# Altium PCB CRD25DA12N-FMC V1.2 (01-2024).PcbDoc (part 4 of 6) (continued)
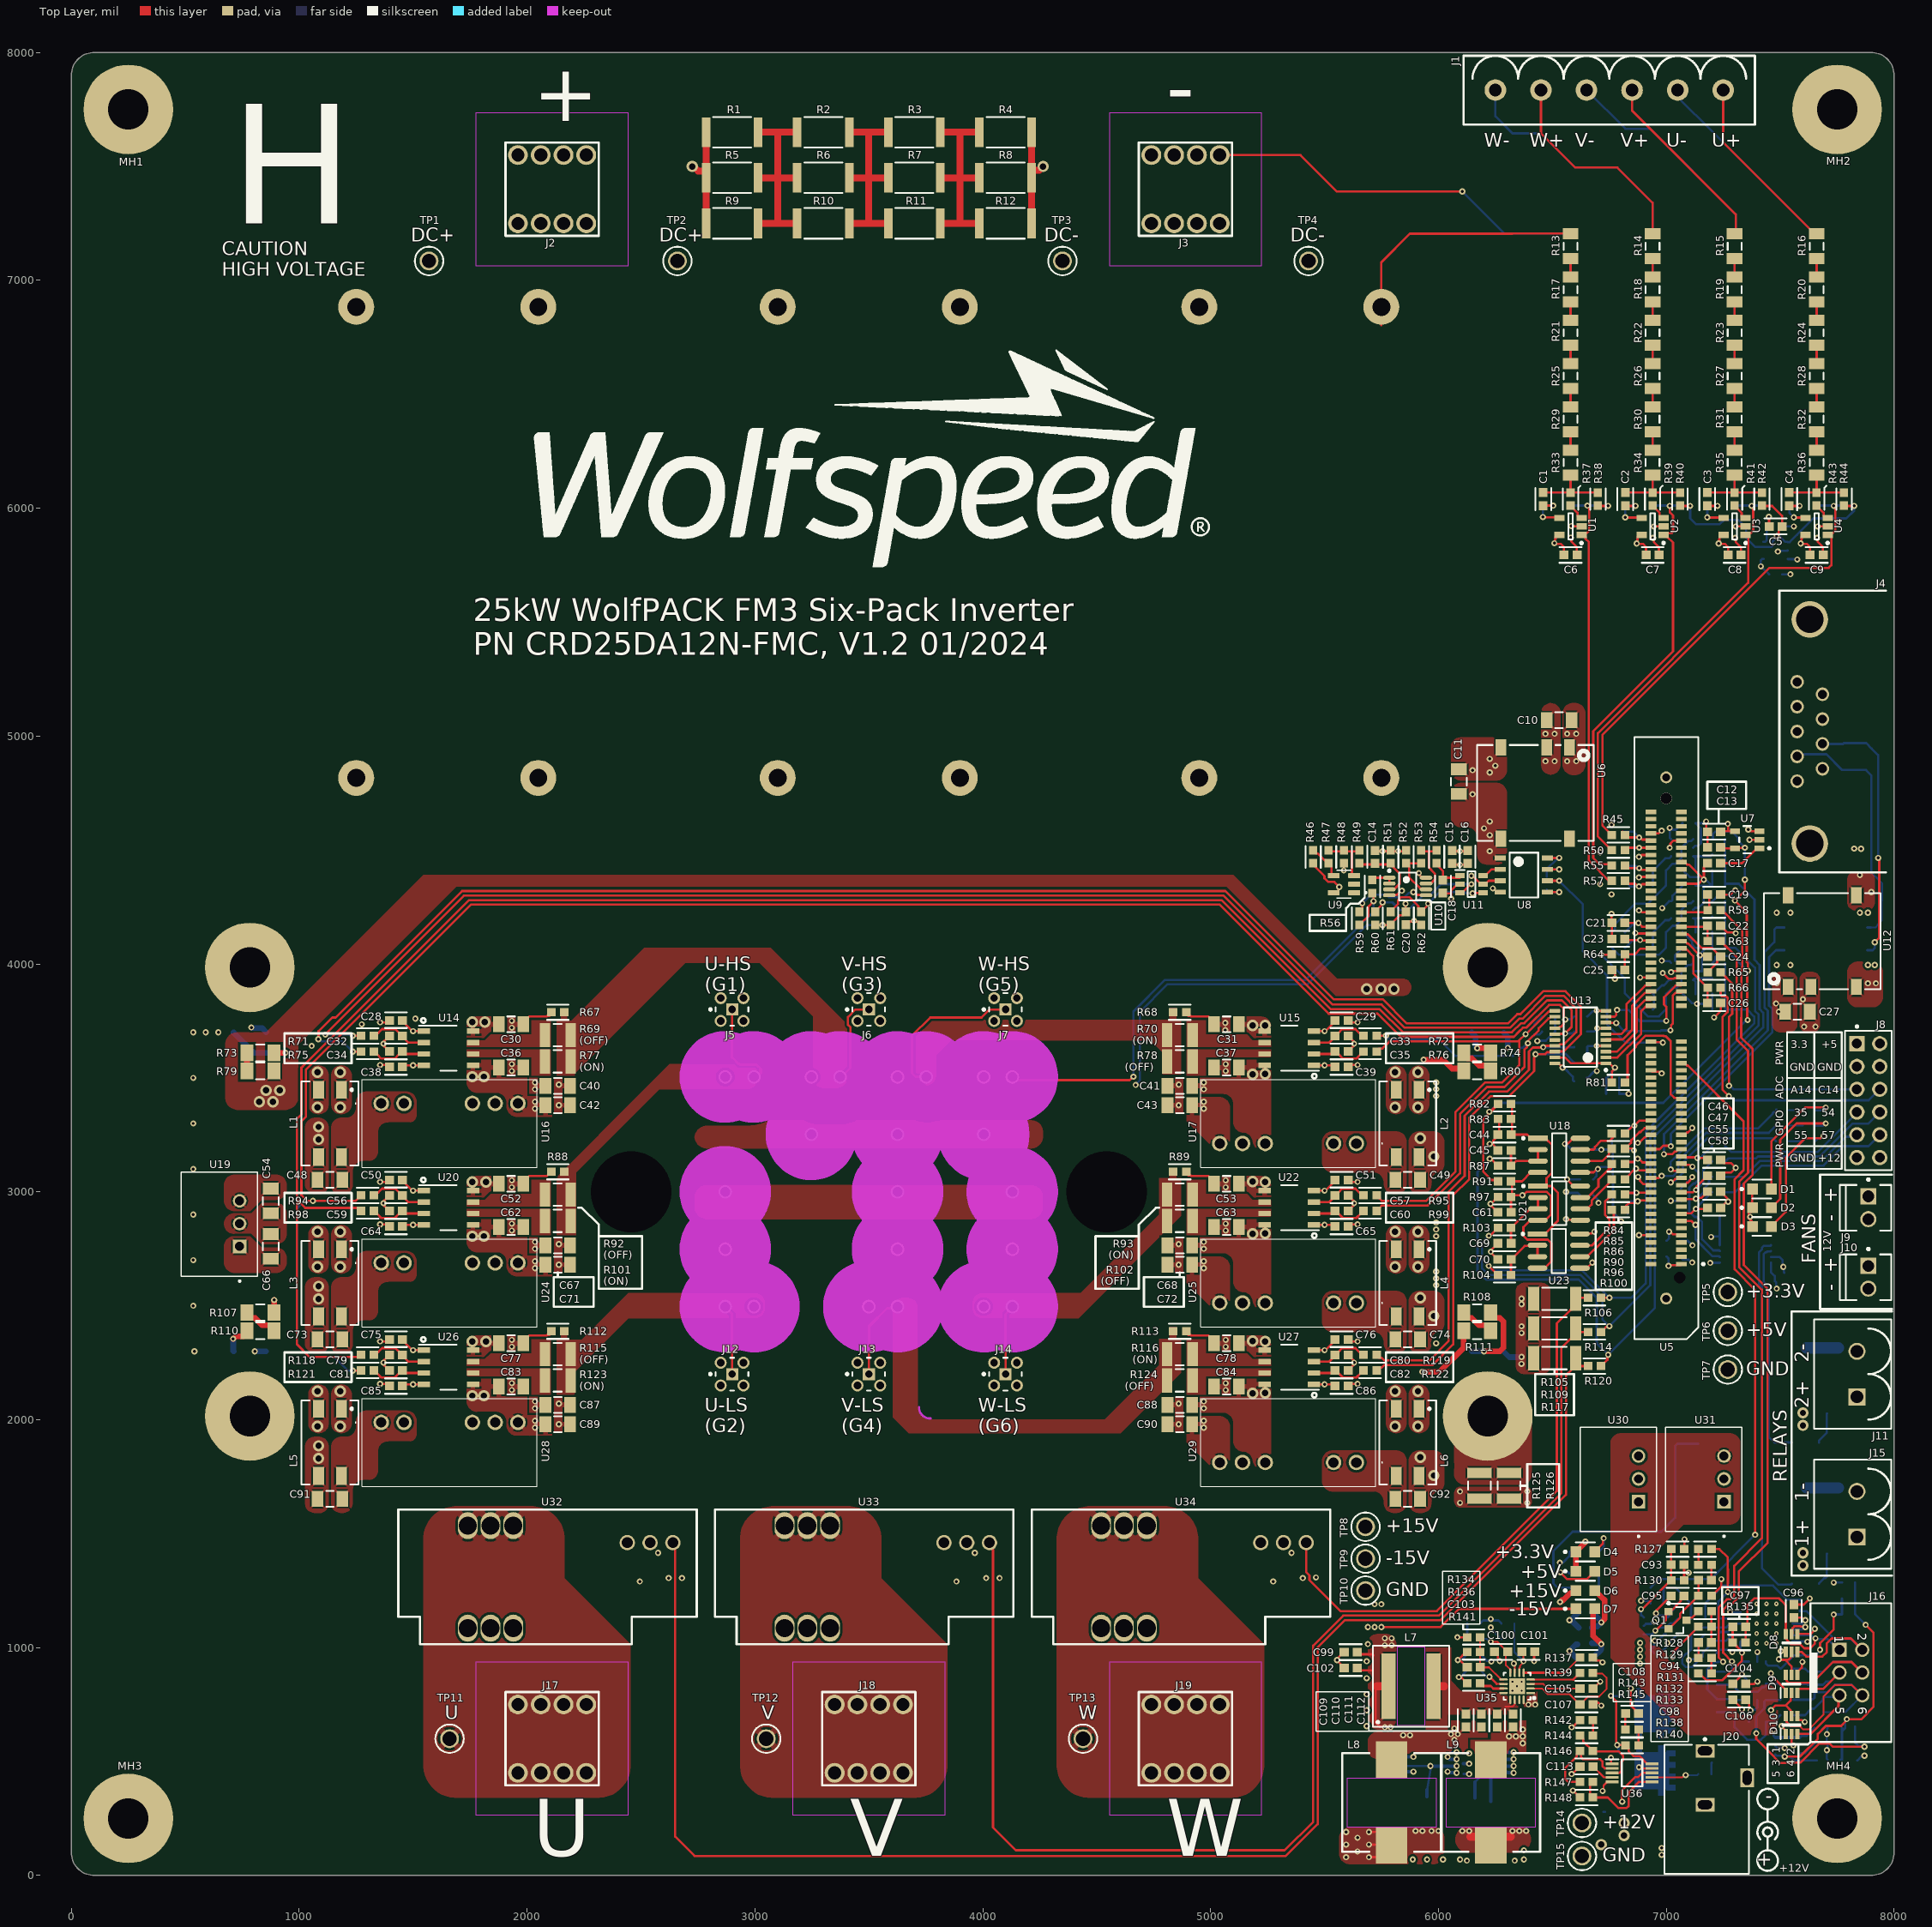
[diagram p0: Top Layer view]
## Nets (pads, with @x,y where several pads share a name; then routed paths per layer and width w, separated by ;. In a path a pad name is that pad's centre, name@x,y a point inside that pad or via, vN(x,y) a via of type N, cw(c..) or ccw(c..) an arc to the next point about the centre after c; other vN are vias at no path point) (continued)
IU: R117.2 R120.1 U32.9 | length 7014.5
  Top Layer w10: U32.9@2640,1460 2650,1450 2650,170 2735,85 5330,85 5470,225 5470,1000 5590,1120 6010,1120 6560,1670 6560,2195 6582.91,2217.91 6582.91,2235.39 R117.2@6602.52,2255 ; R117.2@6602.52,2254.61 6622.13,2235 R120.1@6656.38,2235
IU_FILT: C128.1 R87.1 R120.2 R183.1 R184.1 R185.2 | length 4130.5
  Top Layer w10: v1(6225,3145) 6229.47,3145 6260.47,3114 R87.1@6261.38,3114 ; R120.2@6713.62,2235 6714.53,2235 6741.75,2262.22 6741.75,2281.75 v1(6745,2285)
  Bottom Layer w10: v1(6225,3145) 6225,3140.4 6213.54,3128.94 6213.54,3128.54 6171.5,3086.5 6171.5,2653.5 6210,2615 6615,2615 6695,2535 6695,2335 v1(6745,2285) 6950,2490 6950,3245.31 7425.71,3721.02 7425.71,3785.85 7410,3801.57 7410,3995 7387,4018 7387,4283 7318.23,4351.77 7260.39,4351.77 R185.2@7258.62,4350 ; R185.2@7258.62,4343 R185.2@7258.62,4350 ; R183.1@7258.62,4548 7255.96,4545.33 7255.96,4515.04 7258.62,4512.38 R184.1@7258.62,4480 R184.1@7258.62,4480 C128.1@7258.58,4411 C128.1@7258.58,4411 R185.2@7258.62,4350
IU_MEAS: C21.1 R189.2 U5.33 | length 197.7
  Top Layer w10: C21.1@6818.58,4180 v1(6877.48,4180) 6894.45,4163.03 U5.33@6933.39,4163.03
  Bottom Layer w10: R189.2@6818.62,4139 6819.53,4139 6857.27,4176.75 6874.22,4176.75 v1(6877.48,4180)
IV: R109.2 R114.1 U33.9 | length 5685.2
  Top Layer w10: U33.9@4030,1460 4030,1444.51 4045,1429.51 4045,210 4145,110 5325,110 5450,235 5450,1008.28 5581.72,1140 5675,1140 6001.72,1140 6540,1678.28 6540,2315 6576.85,2351.85 6582.91,2351.85 6602.52,2371.46 6602.52,2385 R114.1@6656.38,2385
IV_FILT: C134.1 R103.1 R114.2 R187.1 R188.1 R190.2 | length 3215
  Top Layer w10: v1(6220.91,2806.96) 6224.16,2810.21 6229.63,2810.21 R103.1@6261.38,2841.96 R103.1@6262.28,2841.96 ; R114.2@6713.62,2385 6714.53,2385 6736.27,2406.75 6746.75,2406.75 v1(6750,2410)
  Bottom Layer w10: v1@6229.13,2815.18 v1(6220.91,2806.96) 6191.5,2777.55 6191.5,2663.5 6220,2635 6623.28,2635 6638.28,2620 6720,2538.28 6720,2440 v1(6750,2410) 6930,2590 6930,3255 7405.71,3730.71 7405.71,3777.57 7390,3793.28 7390,3983.81 7303.81,4070 R190.2@7258.62,4070 C134.1@7258.58,4139 C134.1@7258.58,4139 C134.1@7258.58,4139 R188.1@7258.62,4207 R187.1@7258.62,4275
IV_MEAS: C23.1 R192.2 U5.37 | length 208.3
  Top Layer w10: C23.1@6809.06,4104.85 v1(6885,4104.85) 6887.32,4102.52 6930.9,4102.52 U5.37@6934.21,4099.21
  Bottom Layer w10: R192.2@6818.62,4070 6819.53,4070 6854.37,4104.85 v1(6885,4104.85)
IW: R105.2 R106.1 U34.9 | length 2439.7
  Top Layer w10: U34.9@5420,1460 5420,1330.31 5434.15,1316.15 5434.15,1295.85 5570,1160 5993.43,1160 6520,1686.57 6520,2422.48 6579.37,2481.85 6584.37,2481.85 R105.2@6607.52,2505 ; R105.2@6607.52,2535 R106.1@6659.41,2535
IW_FILT: C140.1 R104.1 R106.2 R193.1 R194.1 R195.2 | length 2582.4
  Top Layer w10: v1(6220.46,2674.84) 6220.59,2674.84 6260.47,2634.96 R104.1@6261.38,2634.96 ; R106.2@6713.62,2535 v1(6750,2535)
  Bottom Layer w10: v1(6220.46,2674.84) 6220.46,2670.24 6235,2655.7 6235,2655 6631.57,2655 6646.57,2640 6750,2536.57 v1(6750,2535) 6846.72,2535 6910,2598.28 6910,3263.28 7385.71,3739 7385.71,3769.29 7355,3800 R195.2@7258.62,3800 R195.2@7258.62,3800 C140.1@7258.58,3868 R194.1@7258.62,3936 R194.1@7258.62,3936 R193.1@7258.62,4003
IW_MEAS: C25.1 R64.2 U5.39 | length 194.9
  Top Layer w10: C25.1@6818.58,3974 R64.2@6818.62,4042 R64.2@6818.62,4042 6861.55,4042 6886.48,4066.93 6935,4066.93 U5.39@6934.85,4066.78
LED_G: R209.2 U5.96 | length 628.7
  Top Layer w10: v1(7019.92,3041.5) 7024.52,3041.5 7039.01,3055.98 7062.09,3055.98 U5.96@7066.93,3060.83
  Bottom Layer w10: v1(7019.92,3041.5) 7024.52,3041.5 7033.02,3050 7040.09,3050 7073.19,3083.1 7073.19,3128.49 7179.69,3235 7410,3235 7410.04,3234.96 7455.04,3234.96 ; 7455,3235 7455.04,3234.96 ; R209.2@7481.38,3222 7468.42,3234.96 7455.04,3234.96
LED_R: R205.2 U5.94 | length 637.2
  Top Layer w10: v1(7020,3098.5) 7024.6,3098.5 7030.78,3092.32 U5.94@7066.93,3092.32
  Bottom Layer w10: v1(7020,3098.5) 7020,3131.87 7166.56,3278.44 7403.44,3278.44 7467.52,3342.52 7467.52,3345.04 7472.47,3350 R205.2@7480,3350 ; R205.2@7482.47,3360 R205.2@7485,3360
LED_Y: R207.2 U5.95 | length 674.3
  Top Layer w10: U5.95@6933.07,3060.83 6933.48,3060.41 6966.29,3060.41 6975.88,3070 v1(6980,3070)
  Bottom Layer w10: v1(6980,3070) 7031.81,3070 7053.19,3091.38 7053.19,3136.77 7174.85,3258.44 7450,3258.44 ; 7450,3260 7450.47,3260 7480,3289.53 R207.2@7480,3295 ; R207.2@7480.47,3290 R207.2@7481.38,3290
LO_OC_REF: C61.1 R91.1 R97.2 U18.4 U21.4 U23.4 | length 1027.5
  Top Layer w10: C61.1@6318.58,2909.96 6318.58,2973 R97.2@6323.58,2978 ; R91.1@6318.62,3045.96 R91.1@6323.58,3045.96 ; U23.4@6403.62,2665 U23.4@6435,2665 6466.24,2665 6495,2693.76 6495,2775 6480,2790 6390,2790 6372.85,2807.15 6372.85,2845 6402.85,2875 U21.4@6436.94,2875 6468.19,2875 6495,2901.81 6495,2980 6475,3000 6388.36,3000 6373.22,2984.86 v1(6368.62,2984.86) 6330.44,2984.86 R97.2@6323.58,2978 ; U18.4@6421.32,3085 6405.7,3085 6366.66,3045.96 R91.1@6323.58,3045.96 ; R97.2@6323.58,2978 R91.1@6323.58,3045.96
NetC1_1: C1.1 R33.2 R37.1 R38.2 | length 316.3
  Top Layer w10: C1.1@6460,6068.58 R37.1@6580,6068.62 R37.1@6580,6068.62 ; R33.2@6580,6144.88 R37.1@6580,6068.62 ; R38.2@6700,6068.62 R37.1@6580,6068.62
NetC2_1: C2.1 R34.2 R39.1 R40.1 | length 316.3
  Top Layer w10: C2.1@6820,6068.58 R39.1@6940,6068.62 R39.1@6940,6068.62 ; R34.2@6940,6144.88 R39.1@6940,6068.62 ; R40.1@7060,6068.62 R39.1@6940,6068.62
NetC3_1: C3.1 R35.2 R41.1 R42.1 | length 316.3
  Top Layer w10: C3.1@7180,6068.58 R41.1@7300,6068.62 R41.1@7300,6068.62 ; R35.2@7300,6144.88 R41.1@7300,6068.62 ; R42.1@7420,6068.62 R41.1@7300,6068.62
NetC4_1: C4.1 R36.2 R43.1 R44.1 | length 316.3
  Top Layer w10: C4.1@7540,6068.58 C4.1@7540,6068.58 R43.1@7660,6068.62 ; R36.2@7660,6144.88 R43.1@7660,6068.62 ; R44.1@7780,6068.62 R43.1@7660,6068.62
NetC45_1: C45.1 R87.2 U18.2 U18.3 | length 245.6
  Top Layer w10: C45.1@6318.58,3182 C45.1@6318.58,3182 R87.2@6318.62,3114 6319.53,3114 6340.53,3135 U18.3@6436.94,3135 U18.2@6436.94,3185 U18.2@6436.82,3184.87 ; C45.1@6324.21,3185 C45.1@6324.47,3184.74
NetC48_1: C48.1 L1.4 U16.1
NetC48_2: C48.2 L1.3 U16.2
  other v2: 1085,3230 1085,3285
NetC49_1: C49.1 L2.4 U17.1
  other v2: 5980,3155 5920,3235
NetC49_2: C49.2 L2.3 U17.2
NetC69_1: C69.1 R103.2 U21.2 U21.3 | length 270.2
  Top Layer w10: C69.1@6318.58,2773.96 6318.58,2841 6402.57,2925 U21.3@6436.94,2925 U21.2@6436.94,2975
NetC70_1: C70.1 R104.2 U23.2 U23.3 | length 259.9
  Top Layer w10: R104.2@6318.62,2634.96 R104.2@6318.62,2634.96 6318.58,2703.04 C70.1@6318.62,2703 ; C70.1@6318.58,2703.96 6319.53,2703.96 6378.1,2762.53 6432.53,2762.53 U23.2@6435,2765 U23.3@6435,2715
NetC73_1: C73.1 L3.4 U24.1
NetC73_2: C73.2 L3.3 U24.2 | length 4.1
  Top Layer w10: L3.3@1090,2452.36 L3.3@1092.89,2455.26
  other v2: 1085,2530 1085,2585
NetC74_1: C74.1 L4.4 U25.1
  other v2: 5980,2455 5920,2535
NetC74_2: C74.2 L4.3 U25.2
NetC91_1: C91.1 L5.4 U28.1
NetC91_2: C91.2 L5.3 U28.2
  other v2: 1085,1830 1085,1885
NetC92_1: C92.1 L6.4 U29.1
  other v2: 5980,1755 5920,1835
NetC92_2: C92.2 L6.3 U29.2
NetC93_1: C93.1 R127.1 R130.2 U44.3 | length 364.9
  Top Layer w10: v1(6889.16,1168.01) 6893.48,1168.01 7020.47,1295 R130.2@7021.38,1295 C93.1@7021.42,1363 C93.1@7021.42,1363 R127.1@7021.38,1432 R127.1@7021.38,1432
  Bottom Layer w10: v1(6889.16,1168.01) 6889.16,1141.18 6892.99,1141.18 U44.3@6901.77,1132.4
NetC94_1: C94.1 R129.2 | length 68
  Top Layer w10: C94.1@7198.58,1295 C94.1@7198.58,1295 R129.2@7198.62,1363
NetC94_2: C94.2 Q1.2 R131.2 | length 268.3
  Top Layer w10: Q1.2@7010.63,1082.6 7012.6,1082.6 7060.65,1130.65 7060.65,1147.18 7140.47,1227 R131.2@7141.38,1227 R131.2@7141.38,1227 C94.2@7141.42,1295
NetC95_2: C95.2 R221.1 U44.4 | length 259.2
  Top Layer w10: v1(6955,1150) 6958.25,1153.25 6958.25,1164.78 7018.42,1224.95 7018.42,1230 C95.2@7021.42,1227
  Bottom Layer w10: v1(6955,1150) 6959.6,1150 6968.42,1141.18 6998.31,1141.18 7007.09,1132.4 7015.87,1141.18 7015.87,1150.04 7037.52,1171.69 7037.52,1181.04 7050.47,1194 R221.1@7051.38,1194 ; U44.4@6983.23,1127.4 U44.4@6992.09,1127.4
NetC97_1: C97.1 R135.1 R140.1 U43.1 | length 454.3
  Top Layer w10: R140.1@7141.38,886 7154.33,873.04 7159.27,873.04 7168.76,863.56 7168.76,863.49 7175.2,857.04 7247.04,857.04 7332.39,942.39 v1(7332.39,977.67) ; C97.1@7291.42,1091 C97.1@7291.42,1091 R135.1@7291.38,1022 7292.28,1022 v1@7332.39,981.89
  Bottom Layer w10: U43.1@7325.83,1028.23 7325.83,1025.2 7325,1024.37 7325,989.66 7332.39,982.27 v1(7332.39,977.67)
NetC98_1: C98.1 R138.2 | length 68.5
  Top Layer w10: R138.2@7141.38,954 R138.2@7141.38,954 C98.1@7141.42,1022 ; C98.1@7154.92,1024.17 C98.1@7155.24,1023.86
NetC98_2: C98.2 R132.2 R133.1 | length 149.2
  Top Layer w10: R132.2@7189.73,1151.02 7197.72,1159 R132.2@7198.62,1159 R133.1@7198.62,1091 R133.1@7198.62,1091 C98.2@7198.58,1022
NetC100_1: C100.1 C172.1 U35.8 | length 246.2
  Top Layer w8: v1(6230,1025) 6258.63,1025 6302.63,981 C100.1@6303.58,981 6296.41,973.83 6296.41,922.27 6315.47,903.21 U35.8@6315.47,889.23
  Bottom Layer w8: C172.1@6183.58,1038 6213.11,1038 6226.11,1025 v1(6230,1025)
NetC101_1: C101.1 R225.1 R230.2 U35.6 | length 265.6
  Top Layer w8: 6354.84,909.23 6358.58,912.97 6358.58,920.12 6373.31,934.86 6373.31,974.11 C101.1@6366.42,981
  Bottom Layer w8: R230.2@6333.62,1106 R225.1@6333.62,1038 6333.62,979.69 v1(6373.31,940) ; v1@6370,939.47 v1@6370.91,939.47
NetC103_1: C103.1 R136.2 R233.1 | length 162.3
  Top Layer w10: C103.1@6126.42,913 6112.56,926.86 6111.61,926.86 6096.73,941.75 6088.25,941.75 v1(6085,945) 6107.04,967.04 6113.42,967.04 R136.2@6126.38,980
  Bottom Layer w10: v1(6085,945) 6088.25,948.25 6103.73,948.25 6125.47,970 R233.1@6126.38,970
NetC105_1: C105.1 U35.3 | length 226.1
  Top Layer w8: U35.3@6404.23,839.84 6460.61,839.84 6480.46,820 6584.44,820 6584.77,820.33 6620.09,820.33 C105.1@6621.42,819
NetC108_1: C108.1 R143.1 | length 71.2
  Top Layer w10: R143.1@6821.38,640 6820,641.38 6820,708.58 C108.1@6821.42,710
NetC109_1: C109.1 C110.1 C111.1 C112.1 L7.2 U35.12 U35.13 U35.14 | length 132.2
  Top Layer w8: 6025,830 6030,825 ; 6295,740 6325,740 6334.89,749.89 6334.89,770.49 U35.14@6335.16,770.77 U35.14@6335.16,757.18
  Top Layer w35: L7.2@5978.43,830 6025,830
NetC109_2: C109.2 C110.2 D18.2 D18.3 L8.1 R245.1
  other v1: 6070,595 5845,615 5875,615 6055,620 6085,620 6070,645
NetC111_2: C111.2 C112.2 D17.2 D17.3 L9.2 R244.1
  other v1: 6370,580 6310,610 6340,610 6370,610 6370,640
NetC113_1: C113.1 U36.4 | length 104.2
  Top Layer w8: C113.1@6678.58,478 6726.58,430 U36.4@6762.91,430
NetC117_1: C117.1 R169.2 R173.2 R174.1 | length 316.3
  Bottom Layer w10: R174.1@7540,6068.62 C117.1@7660,6068.58 ; R169.2@7660,6144.88 C117.1@7660,6068.58 ; R173.2@7780,6068.62 C117.1@7660,6068.58
NetC117_2: C117.2 R45.1 R173.1 U4.1 | length 2178.4
  Top Layer w10: R45.1@6761.38,4566 6720,4607.38 6720,5005 7453.5,5738.5 7713.5,5738.5 7725,5750 7725,5874.61 7712.62,5886.99 7717.01,5891.38 7731.58,5891.38 7741.87,5901.66 7741.87,5998.53 7735,6005.4 v1(7735,6010)
  Bottom Layer w10: C117.2@7660,6011.42 R173.1@7780,6011.38 R173.1@7780,6011.38
NetC118_1: C118.1 R170.2 R175.2 R176.1 | length 316.3
  Bottom Layer w10: R176.1@7180,6068.62 C118.1@7300,6068.58 C118.1@7300,6068.58 ; R170.2@7300,6144.88 C118.1@7300,6068.58 ; R175.2@7420,6068.62 R175.2@7420,6068.62 C118.1@7300,6068.58
NetC118_2: C118.2 R50.1 R175.1 U3.1 | length 1950.8
  Top Layer w10: R50.1@6751.46,4505 6751.46,4507.95 6700,4559.41 6700,5013.28 7359.39,5672.67 7359.39,5873.82 7350.61,5882.6 U3.1@7348.23,5882.6 7357.01,5891.38 7371.58,5891.38 7381.87,5901.66 7381.87,5998.53 7375,6005.4 v1(7375,6010)
  Bottom Layer w10: C118.2@7300,6011.42 C118.2@7300,6011.42 R175.1@7420,6011.38
NetC119_1: C119.1 R171.2 R177.2 R178.1 | length 316.4
  Bottom Layer w10: R178.1@6820,6068.62 R178.1@6820,6068.62 C119.1@6940,6068.58 C119.1@6940,6068.58 ; R171.2@6940,6144.88 C119.1@6940,6068.58 ; R177.2@7060,6068.62 C119.1@6940,6068.58 C119.1@6940,6068.58
NetC119_2: C119.2 R55.1 R177.1 U2.1 | length 1959
  Top Layer w10: R55.1@6761.38,4432 6756.23,4437.15 6707.85,4437.15 6680,4465 6680,5021.57 7030,5371.57 7030,5849.09 7005.87,5873.23 7005.87,5873.82 6992.95,5886.73 6992.36,5886.73 6996.5,5890.87 7024.13,5890.87 7029.99,5896.72 7029.99,5967.61 7016.1,5981.5 7016.1,6008.9 v1(7015,6010)
  Bottom Layer w10: C119.2@6940,6011.42 R177.1@7060,6011.38 R177.1@7060,6011.38
NetC120_1: C120.1 R172.2 R179.1 R180.1 | length 316.3
  Bottom Layer w10: R180.1@6460,6068.62 C120.1@6580,6068.58 C120.1@6580,6068.58 ; R172.2@6580,6144.88 C120.1@6580,6068.58 ; R179.1@6700,6068.62 R179.1@6700,6068.62 C120.1@6580,6068.58
NetC120_2: C120.2 R57.1 R179.2 U1.1 | length 1857.1
  Top Layer w10: v1(6653.58,6011.42) 6653.58,6006.82 6661.87,5998.53 6661.87,5901.66 6651.58,5891.38 6637.01,5891.38 U1.1@6628.23,5882.6 6637.09,5882.6 6645.87,5873.82 6645.87,5864.96 6660,5850.83 6660,4452.95 R57.1@6755,4357.95
  Bottom Layer w10: C120.2@6580,6011.42 v1(6653.58,6011.42) R179.2@6700,6011.38 R179.2@6700,6011.38
NetC129_1: C129.1 R184.2 U38.3 | length 151.5
  Bottom Layer w10: U38.3@7118.23,4472.6 U38.3@7119.8,4472.6 ; C129.1@7128.58,4411 7128.58,4463.82 U38.3@7119.8,4472.6 ; R184.2@7201.38,4480 7193.98,4472.6 U38.3@7119.8,4472.6
NetC130_1: C130.1 R186.1 U38.4 | length 173.9
  Bottom Layer w10: R186.1@6941.38,4343 C130.1@6941.42,4411 C130.1@6941.42,4411 6942.37,4411 6995.19,4463.82 7012.99,4463.82 U38.4@7021.77,4472.6
NetC130_2: C130.2 R186.2 R189.1 U38.1 | length 605.8
  Bottom Layer w10: R189.1@6761.38,4139 6762.28,4139 6775.24,4151.96 6775.24,4175.24 6865,4265 6919.72,4265 6997.72,4343 R186.2@6998.62,4343 C130.2@6998.58,4411 C130.2@6998.58,4411 6999.53,4411 7028.09,4439.56 7040.71,4439.56 7065.87,4464.73 7065.87,4509.62 7094.88,4538.62 7109.45,4538.62 U38.1@7118.23,4547.4
NetC135_1: C135.1 R188.2 U40.3 | length 151
  Bottom Layer w10: U40.3@7118.23,4200.6 U40.3@7119.8,4200.6 ; C135.1@7128.58,4139 7128.58,4191.82 U40.3@7119.8,4200.6 ; R188.2@7201.38,4207 7194.98,4200.6 U40.3@7119.8,4200.6
NetC136_1: C136.1 R191.1 U40.4 | length 174.9
  Bottom Layer w10: R191.1@6941.38,4070 C136.1@6941.42,4139 C136.1@6941.42,4139 6942.37,4139 6995.19,4191.82 7012.99,4191.82 U40.4@7021.77,4200.6
NetC136_2: C136.2 R191.2 R192.1 U40.1 | length 532.7
  Bottom Layer w10: R192.1@6761.38,4070 6762.28,4070 6791.24,4041.04 6968.76,4041.04 6997.72,4070 R191.2@6998.62,4070 C136.2@6998.58,4139 C136.2@6998.58,4139 6999.53,4139 7028.09,4167.56 7040.71,4167.56 7065.87,4192.73 7065.87,4237.62 7094.88,4266.62 7109.45,4266.62 U40.1@7118.23,4275.4
NetC141_1: C141.1 R194.2 U41.3 | length 152.6
  Bottom Layer w10: C141.1@7128.58,3868 7128.58,3920.82 7119.8,3929.6 7118.23,3929.6 7124.63,3936 R194.2@7201.38,3936
NetC142_1: C142.1 R196.1 U41.4 | length 177.7
  Bottom Layer w10: R196.1@6941.38,3800 6946.04,3804.67 6946.04,3863.38 C142.1@6941.42,3868 6942.37,3868 6980.52,3906.15 6989.46,3906.15 7012.91,3929.6 U41.4@7021.77,3929.6
NetC142_2: C142.2 R64.1 R196.2 U41.1 | length 767.6
  Top Layer w10: v1(6715,4040) 6759.38,4040 R64.1@6761.38,4042
  Bottom Layer w10: v1(6715,4040) 6818.11,3936.89 6818.11,3870.9 6919.01,3770 6967.72,3770 6997.72,3800 R196.2@6998.62,3800 C142.2@6998.58,3868 C142.2@6998.58,3868 6999.53,3868 7028.09,3896.56 7045.75,3896.56 7047.05,3897.86 7047.86,3897.86 7065.87,3915.87 7065.87,3966.62 7094.88,3995.62 7109.45,3995.62 U41.1@7118.23,4004.4
NetC169_2: C169.2 R222.2 R235.2 U45.3 | length 581.6
  Top Layer w10: v1(7675,990) 7675,1019.69 7735,1079.69 v1(7735,1145)
  Bottom Layer w10: U45.3@7437.4,938.23 7437.4,929.37 7446.82,919.96 7488.42,919.96 R235.2@7501.38,907 7502.28,907 7560.44,965.16 7660.16,965.16 7660.16,970.56 7675,985.4 v1(7675,990) ; v1(7735,1145) 7770.38,1145 R222.2@7771.38,1146 C169.2@7771.42,1215 C169.2@7771.42,1215
NetC170_1: C170.1 R218.2 R221.2 R224.1 | length 285.6
  Bottom Layer w10: C170.1@6988.58,1194 R218.2@6988.62,1263 7038.76,1262.96 7107.72,1194 R221.2@7108.62,1194 R224.1@7108.62,1126
NetC171_1: C171.1 R128.1 R220.1 U43.5 | length 472.3
  Top Layer w10: R128.1@7198.62,1432 7233,1432 7270,1395 7270,1343.99 7270.39,1343.6 7270.39,1281.7 7270,1281.31 v1(7270,1243.34)
  Bottom Layer w10: v1(7270,1243.34) 7228.58,1201.92 C171.1@7228.58,1126 7230.38,1127.8 7323.04,1127.8 U43.5@7325.83,1130.59
NetC172_2: C172.2 R226.2 | length 68
  Bottom Layer w10: C172.2@6126.42,1038 C172.2@6126.42,1038 R226.2@6126.38,1106
NetC173_1: C173.1 R229.2 R232.1 U43.2 U43.4 | length 712.5
  Bottom Layer w10: U43.2@7325.83,1053.82 7285.39,1053.82 7260.61,1029.04 7211.42,1029.04 7160.61,978.24 7160.61,961.33 7114.28,915 7085,915 7070.52,929.48 7070.52,956.77 7087.21,973.46 7091.18,973.46 7107.72,990 R232.1@7108.62,990 R229.2@7108.62,1058 7109.53,1058 7139.51,1087.98 7262.98,1087.98 7280,1105 U43.4@7325.83,1105
NetC175_1: C175.1 U35.10 | length 127.1
  Top Layer w8: 6255.76,839.84 U35.10@6285.77,839.84
  Top Layer w10: v1(6223.84,871.76) 6255.76,839.84
  Bottom Layer w10: C175.1@6183.58,900 6184.53,900 6209.51,875.02 6220.59,875.02 v1(6223.84,871.76)
NetC178_1: C178.1 R237.2 R238.2 U45.4 | length 317.6
  Bottom Layer w10: R237.2@7222,836.38 7289.09,836.38 7320.47,805 7400.63,805 7419.76,824.13 7428.62,824.13 7437.4,832.91 U45.4@7437.4,841.77 7498.61,841.77 R238.2@7501.38,839 R238.2@7498.8,836.42
NetC178_2: C178.2 R58.1 R237.1 U45.1 | length 3729.1
  Top Layer w10: R58.1@7238.62,4236 7251.58,4223.04 7257.26,4223.04 7295.38,4184.92 7333.5,4146.81 7333.5,3985.91 7329.39,3981.81 7329.39,3764.54 7328.71,3763.86 7328.71,3676.64 7378.86,3626.5 7378.86,3075 7340,3036.14 7340,2678.28 7445,2573.28 7445,1460 7318.5,1333.5 7318.5,1219.91 7290.09,1191.5 7275.18,1191.5 7250,1166.32 7250,977.14 v1(7288.42,938.72)
  Bottom Layer w10: R237.1@7222,893.62 C178.2@7290,893.58 C178.2@7290,893.58 7290,894.53 C178.2@7295.25,899.78 ; v1(7288.42,938.72) 7288.42,906.62 C178.2@7295.25,899.78 ; U45.1@7362.6,938.23 7333.7,938.23 C178.2@7295.25,899.78
NetC181_1: C181.1 R241.2 R242.2 U46.4 | length 440.5
  Bottom Layer w10: R241.2@7222,716.38 C181.1@7290,716.42 C181.1@7290,716.42 7300,706.42 7300,650 7355,595 7415.31,595 7437.4,617.1 U46.4@7437.4,673.54 7471.02,673.54 7500.47,703 R242.2@7501.38,703
NetC181_2: C181.2 R63.1 R241.1 U46.1 | length 3740.3
  Top Layer w10: R63.1@7238.62,4100 7239.53,4100 7309.39,4030.14 7309.39,3772.82 7308.71,3772.15 7308.71,3668.36 7358.86,3618.21 7358.86,3083.28 7320,3044.42 7320,2670 7420,2570 7420,1480 7298.5,1358.5 7298.5,1228.19 7281.81,1211.5 7266.9,1211.5 7230,1174.6 7230,957.63 7249.75,937.88 v1(7249.75,937.08)
  Bottom Layer w10: v1(7249.75,937.08) 7227.08,937.08 7225,935 7211.01,935 7180,903.99 7180,816.53 7222,774.53 R241.1@7222,773.62 R241.1@7222,773.62 C181.2@7290,773.58 7293.58,770 U46.1@7362.6,770
NetC185_2: C185.2 R240.2 R243.2 U46.3 | length 930.9
  Top Layer w10: v1(7395,623.5) 7395,598.78 7449.52,544.26 7500.79,492.99 7531.81,492.99 7533.81,495 7588.59,495 7672.09,578.5 7716.81,578.5 7730.31,565 v1(7870,565)
  Bottom Layer w10: v1(7395,623.5) 7395,696.67 7430.69,732.36 7430.69,763.29 U46.3@7437.4,770 7500.38,770 R240.2@7501.38,771 ; R243.2@7828.62,652 R243.2@7828.62,652 C185.2@7828.58,583 7842.44,569.14 7861.26,569.14 7865.4,565 v1(7870,565)
NetC189_1: C189.1 R244.2
NetC198_1: C198.1 R245.2
NetD1_2: D1.2 R204.1 | length 565.9
  Top Layer w10: D1.2@7461.34,3012 7461.34,3221.34 7610,3370 v1(7700,3370)
  Bottom Layer w10: R204.1@7653.62,3358 7686.29,3358 7698.29,3370 v1(7700,3370) v1@7705,3370
NetD2_2: D2.2 R206.1 | length 588.4
  Top Layer w10: D2.2@7461.34,2930 7500,2968.66 7500,3228.08 7571.92,3300 v1(7700,3300)
  Bottom Layer w10: R206.1@7653.62,3290 7686.29,3290 7692.59,3296.3 7693.7,3296.3 v1@7695,3295
NetD3_2: D3.2 R208.1 | length 584
  Top Layer w10: D3.2@7461.34,2848 7525,2911.66 7525,3150 7610,3235 7676.81,3235 7686.11,3244.29 v1(7690.71,3244.29)
  Bottom Layer w10: R208.1@7653.62,3222 7666.58,3234.96 7676.77,3234.96 7686.81,3245 v1@7695,3245
NetD4_2: D4.2 R215.2 | length 143.9
  Top Layer w10: D4.2@6685,1425 6691.34,1425 6721.75,1455.41 6721.75,1476.75 v1(6725,1480)
  Bottom Layer w10: R215.2@6704.1,1420 6725,1440.9 v1(6725,1480)
NetD5_2: D5.2 R216.2 | length 224.6
  Top Layer w10: v1@6538.25,1333.25 v1(6535,1330) 6564.62,1300.38 6651.72,1300.38 D5.2@6686.34,1335
  Bottom Layer w10: v1(6535,1330) 6570,1330 R216.2@6575,1325
NetD6_2: D6.2 R223.1 R227.1 | length 283.5
  Top Layer w25: D6.2@6690,1255 6690,1246.34 6726.34,1210 6730,1210 6730,1125.54 6715,1110.54 v1(6715,1110)
  Bottom Layer w25: R227.1@6673.62,1087 6679.08,1092.46 6697.46,1092.46 v1(6715,1110) 6714.62,1110.38 6714.62,1114.91 6674.53,1155 R223.1@6673.62,1155
NetD7_2: D7.2 R231.2 R234.2 | length 297.7
  Top Layer w25: D7.2@6686.34,1170 6679,1162.66 6679,1051.12 6715,1015.12 v1(6715,1015)
  Bottom Layer w25: R234.2@6673.62,951 6679.08,956.46 6679.98,956.46 6715,991.47 v1(6715,1015) 6712.12,1017.88 6674.74,1017.88 R231.2@6673.62,1019
NetD11_2: D11.2 R74.2 | length 149.9
  Top Layer w25: v1(6170,3630) 6170.38,3629.62 6212.95,3629.62 6230,3612.57 R74.2@6230,3610
  Bottom Layer w25: D11.2@6145.67,3700 6162.7,3682.97 6162.7,3637.84 6170,3630.54 v1(6170,3630)
NetD12_2: D12.2 R73.2 | length 315.8
  Top Layer w25: R73.2@890,3610 v1(940,3610)
  Bottom Layer w25: D12.2@712.6,3700 712.6,3698.03 800.63,3610 v1(940,3610)
NetD13_2: D13.2 R108.2 | length 348.9
  Top Layer w25: v1(6200,2300) 6200.38,2300.38 6270.36,2300.38 6285,2315.03 6285,2431.28 6270.36,2445.92 6245.26,2445.92 6240,2451.18 R108.2@6240,2485
  Bottom Layer w25: D13.2@6145.67,2300 v1(6200,2300)
NetD14_2: D14.2 R110.2 | length 138.7
  Top Layer w25: v1(710,2355) 710.54,2355 721.46,2365.92 754.74,2365.92 765,2376.18 R110.2@765,2395
  Bottom Layer w25: v1(710,2355) 710.38,2354.62 710.38,2302.22 D14.2@712.6,2300
NetD15_2: D15.2 J11.2 Q3.4 | length 140
  Bottom Layer w50: Q3.4@7615,2315.24 7755,2315.24
NetD16_2: D16.2 J15.2 Q4.4 | length 140.2
  Bottom Layer w8: 7755,1700 7755,1700.24
  Bottom Layer w50: Q4.4@7615,1700.24 7755,1700.24
NetHS1_3: HS1.3 R125.2 R126.2
NetJ8_5: J8.5 R65.1 | length 1094.7
  Top Layer w10: R65.1@7238.62,3964 7239.53,3964 7289.39,3914.14 7289.39,3781.11 7275,3766.72 v1(7275,3465)
  Bottom Layer w10: v1(7275,3465) 7279.6,3465 7294.6,3450 J8.5@7837,3450
NetJ8_6: J8.6 R66.1 | length 1210.6
  Top Layer w10: R66.1@7238.62,3896 7238.62,3863.72 7244.48,3857.86 7262.95,3857.86 7269.39,3851.42 7269.39,3789.39 7246.5,3766.5 7246.5,3448.41 v1(7274.98,3419.94)
  Bottom Layer w10: v1(7274.98,3419.94) 7278.47,3419.94 7296.88,3401.54 7888.54,3401.54 J8.6@7937,3450
NetJ8_7: J8.7 R210.1 | length 663
  Bottom Layer w10: R210.1@7258.62,3200 7259.53,3200 7284.53,3175 7665,3175 7837,3347 J8.7@7837,3350
NetJ8_8: J8.8 R211.1 | length 768.3
  Bottom Layer w10: R211.1@7258.62,3133 7271.58,3145.96 7393.25,3145.96 7402.29,3155 7673.43,3155 7816.9,3298.46 7885.46,3298.46 J8.8@7937,3350
NetJ8_9: J8.9 R212.1 | length 654.6
  Bottom Layer w10: R212.1@7258.62,3066 7341.58,3066 7410.58,3135 7681.72,3135 7788.54,3241.82 7828.82,3241.82 J8.9@7837,3250
NetJ8_10: J8.10 R213.1 | length 782.8
  Bottom Layer w10: R213.1@7258.62,2998 7301.86,2998 7418.86,3115 7690,3115 7775,3200 7887,3200 J8.10@7937,3250
NetQ1_3: Q1.3 R132.1 | length 88.5
  Top Layer w10: Q1.3@7091.34,1120 Q1.3@7089.37,1120 7100.12,1130.75 7112.22,1130.75 7140.47,1159 R132.1@7141.38,1159 R132.1@7128.42,1146.04
NetQ3_1: Q3.1 R214.2 | length 141.3
  Bottom Layer w10: R214.2@7670,1899.76 7670,1907.69 7705,1942.69 7705,2026.38 Q3.1@7705.16,2026.54
NetQ4_1: Q4.1 R217.2 | length 149.5
  Bottom Layer w10: R217.2@7670,1280 7670,1281.34 7693.66,1305 7699.14,1305 7705,1310.86 7705,1411.61 Q4.1@7705.16,1411.77
NetQ5_4: Q5.4 Q6.4 R145.2 U36.10 | length 503.8
  Top Layer w10: v1(6756.95,788.05) 6780,765 6780,586.36 ; v1(6785,572) 6819.38,572 R145.2@6821.38,570 6821.75,570 6834.7,557.04 6834.7,545.3 6856.34,523.66 6883.41,523.66 6917.7,489.37 U36.10@6931.5,489.37
  Bottom Layer w10: v1(6756.95,788.05) 6758.47,786.53 6810.32,786.53 Q5.4@6811.3,787.5 ; v1(6785,572) 6785,567.4 6790.55,561.85 6790.55,542.01 6797.56,535 Q6.4@6804.88,535
NetR14_2: R14.2 R18.1 | length 79.8
  Top Layer w10: R18.1@6940,7015.12 R14.2@6940,7094.88
NetR15_2: R15.2 R19.1 | length 79.8
  Top Layer w10: R19.1@7300,7015.12 R15.2@7300,7094.88
NetR16_2: R16.2 R20.1 | length 79.8
  Top Layer w10: R20.1@7660,7015.12 R16.2@7660,7094.88
NetR18_2: R18.2 R22.1 | length 79.8
  Top Layer w10: R22.1@6940,6825.12 R18.2@6940,6904.88
NetR19_2: R19.2 R23.1 | length 79.8
  Top Layer w10: R23.1@7300,6825.12 R19.2@7300,6904.88
NetR20_2: R20.2 R24.1 | length 79.8
  Top Layer w10: R24.1@7660,6825.12 R20.2@7660,6904.88
NetR22_2: R22.2 R26.1 | length 79.8
  Top Layer w10: R26.1@6940,6635.12 R22.2@6940,6714.88
NetR23_2: R23.2 R27.1 | length 79.8
  Top Layer w10: R27.1@7300,6635.12 R23.2@7300,6714.88
NetR24_2: R24.2 R28.1 | length 79.8
  Top Layer w10: R28.1@7660,6635.12 R24.2@7660,6714.88
NetR26_2: R26.2 R30.1 | length 79.8
  Top Layer w10: R30.1@6940,6445.12 R26.2@6940,6524.88
NetR27_2: R27.2 R31.1 | length 79.8
  Top Layer w10: R31.1@7300,6445.12 R27.2@7300,6524.88
NetR28_2: R28.2 R32.1 | length 79.8
  Top Layer w10: R32.1@7660,6445.12 R28.2@7660,6524.88
NetR30_2: R30.2 R34.1 | length 79.8
  Top Layer w10: R34.1@6940,6255.12 R30.2@6940,6334.88
NetR31_2: R31.2 R35.1 | length 79.8
  Top Layer w10: R35.1@7300,6255.12 R31.2@7300,6334.88
NetR32_2: R32.2 R36.1 | length 79.8
  Top Layer w10: R36.1@7660,6255.12 R32.2@7660,6334.88
NetR37_2: R37.2 U1.3 | length 79.1
  Top Layer w10: R37.2@6580,6011.38 6580,6010.47 6610.59,5979.88 6610.59,5966.18 6619.37,5957.4 U1.3@6628.23,5957.4
NetR39_2: R39.2 U2.3 | length 84.1
  Top Layer w10: R39.2@6940,6011.38 6940,6010.47 6970.59,5979.88 6970.59,5961.18 6979.37,5952.4 U2.3@6988.23,5952.4
NetR41_2: R41.2 U3.3 | length 79.1
  Top Layer w10: R41.2@7300,6011.38 7300,6010.47 7330.59,5979.88 7330.59,5966.18 7339.37,5957.4 U3.3@7348.23,5957.4
NetR43_2: R43.2 U4.3 | length 79.1
  Top Layer w10: R43.2@7660,6011.38 7660,6010.47 7690.59,5979.88 7690.59,5966.18 7699.37,5957.4 U4.3@7708.23,5957.4
NetR73_1: R73.1 R79.2 | length 81.7
  Top Layer w25: R79.2@770.9,3530 770.9,3605.9 R73.1@775,3610
NetR74_1: R74.1 R80.2 | length 158.9
  Top Layer w25: R74.1@6110.9,3610 6110.9,3602.08 6127.05,3585.92 6146.37,3585.92 6178.22,3554.08 6212.95,3554.08 6225,3542.03 R80.2@6225,3530
NetR84_1: R84.1 U18.7 | length 154.9
  Top Layer w10: U18.7@6638.06,3185 6680.64,3185 6686.5,3190.86 6686.5,3196.81 6714.03,3224.33 6752.28,3224.33 6765,3237.05 R84.1@6765,3240
NetR85_1: R85.1 U18.6 | length 152.8
  Top Layer w10: U18.6@6638.06,3135 6720,3135 6748.67,3163.67 6748.67,3176.04 6752.63,3180 R85.1@6765,3180
NetR86_1: R86.1 U21.7 | length 219.8
  Top Layer w10: U21.7@6623.06,2975 6654.3,2975 6702.21,3022.91 6702.21,3053.89 6747.65,3099.33 6752.28,3099.33 6765,3112.05 R86.1@6765,3115
NetR90_1: R90.1 U21.6 | length 206.2
  Top Layer w10: U21.6@6623.06,2925 6654.3,2925 6673,2943.7 6673,2961.94 6703.48,2992.42 6703.48,2992.62 6762.91,3052.05 R90.1@6762.91,3055
NetR96_1: R96.1 U23.7 | length 333.6
  Top Layer w10: U23.7@6621.11,2765 6675,2765 6750,2840 6750,2880 6731.22,2898.78 6731.22,2956.81 6747.52,2973.11 6747.52,2975.04 R96.1@6764.52,2992.05
NetR100_1: R100.1 U23.6 | length 290.1
  Top Layer w10: U23.6@6621.11,2715 6652.35,2715 6682.35,2745 6683.28,2745 6770,2831.72 6770,2912.38 R100.1@6761.38,2921
NetR107_2: R107.2 R110.1 | length 163.1
  Top Layer w25: R107.2@770.9,2470 770.9,2462.08 787.05,2445.92 806.37,2445.92 838.22,2414.08 872.95,2414.08 895,2392.03 R110.1@895,2390
NetR108_1: R108.1 R111.2 | length 159.8
  Top Layer w25: R108.1@6110.9,2470 6110.9,2462.08 6127.05,2445.92 6146.37,2445.92 6178.22,2414.08 6215.92,2414.08 R111.2@6235,2395
NetR128_2: R128.2 R129.1 | length 69
  Top Layer w10: R129.1@7141.38,1363 R128.2@7141.38,1432